# Allegro board SDHCalFEB.brd (continued)
## Routing (per net, layer and track width the routed paths; a pad name or vN(x,y) marks a point on that pad's centre or on a via; arc(x,y) is an arc through that point) (continued)
  TOP w0.305: C253.1 v2(137.45,315.98) ; C253.1 137.45,314.53 v2(137.45,314.53) U195.143 ; C253.1 v2(136.63,315.28) ; C776.1 298.77,120.3 v2(298.77,121.14) U585.60 v2(298.77,123.51) ; U455.76 v2(149.15,201.15) 149.15,200.6 C605.1 v2(148.18,200.3) ; U1081.4 v1(355.74,110.06) 356.4,109.39 C1480.1 ; U390.76 v2(229.16,201.15) 228.94,200.94 C518.1 v2(228.3,200.32) ; v2(149.15,283.82) U195.76 v2(149.15,281.16) 149.15,280.57 C257.1 v2(148.27,280.33) ; C343.1 v2(57.45,315.87) ; C343.1 v2(56.76,315.24) ; C343.1 57.44,315.22 v2(57.44,314.53) U260.143 ; U715.76 v2(149.15,121.14) ; U975.76 v2(149.15,41.13) ; C170.1 228.66,280.67 v2(229.16,281.16) U130.76 v2(229.16,283.97) ; C255.1 142.79,280.65 v2(143.3,281.16) U195.67 ; C255.1 C256.1 143.95,280.37 U195.68 v2(143.95,283.53) ; C255.1 v2(142.11,280.2) ; U780.67 v2(63.29,121.14) ; U390.67 v2(223.31,201.15) 223,200.84 C516.1 ; C777.1 C778.1 303.97,120.37 U585.68 v2(303.97,123.51) ; C777.1 302.93,120.75 v2(303.32,121.14) U585.67 ; C777.1 v2(302.23,120.32) ; U325.67 v2(303.32,201.15) 302.98,200.82 C431.1 ; v2(298.77,43.5) U845.60 v2(298.77,41.13) ; v2(138.75,41.13) U975.60 v2(138.75,43.5) ; v2(68.26,200.33) C692.1 68.89,200.91 v2(69.14,201.15) U520.76 ; U520.143 v2(57.44,234.52) 57.44,235.21 C689.1 ; U845.143 v2(297.47,74.5) ; C431.1 C430.1 303.97,200.18 U325.68 v2(303.97,203.52) ; C431.1 v2(302.29,200.18) ; v2(223.96,203.52) U390.68 223.96,200.33 C517.1 C516.1 ; C80.1 v2(296.77,315.35) ; C80.1 297.47,315.34 v2(297.47,314.53) U65.143 ; C80.1 v2(298.17,315.35) ; C1126.1 303.97,40.36 U845.68 v2(303.97,43.5) ; U65.67 303.32,280.55 C82.1 ; C516.1 v2(222.3,200.27) ; v2(218.76,43.5) U910.60 v2(218.76,41.13) ; v2(138.75,283.53) U195.60 v2(138.75,281.16) 138.75,281.16 C254.1 ; C865.1 223.96,120.3 U650.68 v2(223.96,123.51) ; C689.1 v2(56.59,235.21) ; C689.1 v2(57.43,235.92) ; v2(143.95,203.52) U455.68 143.95,200.41 C604.1 C603.1 ; C82.1 v2(302.41,280.34) ; C82.1 C83.1 303.97,280.43 U65.68 v2(303.97,283.53) ; C1387.1 63.94,40.3 U1040.68 v2(63.94,43.5) ; U650.67 v2(223.31,121.14) 222.97,120.8 C864.1 v2(222.28,120.29) ; U780.76 v2(69.14,121.14) ; U910.143 v2(217.46,74.5) ; U780.143 v2(57.44,154.51) ; v2(308.19,200.15) C428.1 308.82,200.81 v2(309.17,201.15) U325.76 ; U975.143 v2(137.45,74.5) ; C168.1 C169.1 223.96,280.32 U130.68 v2(223.96,283.53) ; C168.1 223.31,280.47 v2(223.31,281.16) U130.67 ; C168.1 v2(222.38,280.24) ; C427.1 298.77,200.37 v2(298.77,201.15) U325.60 v2(298.77,203.52) ; v2(58.74,41.13) U1040.60 v2(58.74,43.5) ; v2(218.76,121.14) U650.60 v2(218.76,123.51) ; v2(138.75,123.51) U715.60 v2(138.75,121.14) ; C341.1 v2(62.2,280.26) ; C341.1 62.92,280.79 v2(63.29,281.16) U260.67 ; C341.1 C342.1 63.94,280.29 U260.68 v2(63.94,283.53) ; U390.143 v2(217.46,234.52) C514.1 ; v2(68.2,280.25) C344.1 68.83,280.86 v2(69.14,281.16) U260.76 ; v2(229.16,41.13) U910.76 ; C602.1 138.75,200.33 v2(138.75,201.15) U455.60 v2(138.75,203.52) ; v2(63.94,123.51) U780.68 63.94,120.34 C1039.1 ; U65.76 309.17,281.35 v2(308.94,281.13) 308.71,280.89 C79.1 v2(308.07,280.34) ; U260.60 v2(58.74,281.16) 58.74,280.33 C340.1 ; U130.143 v2(217.46,314.53) 217.46,315.3 C166.1 ; U715.67 v2(143.3,121.14) ; v2(63.94,203.52) U520.68 63.94,200.98 64.09,200.83 C691.1 C690.1 ; C603.1 143.3,200.49 v2(143.3,201.15) U455.67 ; C603.1 v2(142.39,200.28) ; C601.1 v2(136.63,235.21) ; C601.1 137.45,235.21 v2(137.45,234.52) U455.143 ; C601.1 v2(137.44,235.89) ; v2(309.17,121.14) 308.95,120.92 C779.1 v2(308.31,120.32) ; U715.143 v2(137.45,154.51) ; C81.1 298.77,280.34 v2(298.77,281.16) U65.60 v2(298.77,283.53) ; C1213.1 223.96,40.34 U910.68 v2(223.96,43.5) ; U650.76 v2(229.16,121.14) 228.86,120.85 v2(228.86,120.22) ; v2(143.95,123.51) U715.68 143.95,121.34 143.77,121.17 C952.1 ; U1040.76 v2(69.14,41.13) ; C166.1 v2(217.45,316) ; C166.1 v2(216.61,315.3) ; C775.1 297.47,155.22 v2(297.47,154.51) U585.143 ; C775.1 296.62,155.23 v2(296.61,155.22) ; C775.1 v2(297.46,155.91) ; U650.143 v2(217.46,154.51) ; v2(218.76,203.52) U390.60 v2(218.76,201.15) C515.1 ; C690.1 v2(62.41,200.3) ; C690.1 63.1,200.97 v2(63.29,201.15) U520.67 ; U975.67 v2(143.3,41.13) ; C688.1 58.74,200.33 v2(58.74,201.15) U520.60 v2(58.74,203.52) ; U325.143 v2(297.47,234.52) 297.46,234.52 C429.1 ; C429.1 v2(297.46,235.97) ; C429.1 v2(296.65,235.26) ; U845.76 v2(309.17,41.13) ; v2(143.95,43.52) U975.68 143.95,40.34 C1300.1 ; U910.67 v2(223.31,41.13) ; U130.60 v2(218.76,281.16) 218.76,280.32 C167.1 ; C514.1 v2(216.64,235.17) ; C514.1 v2(217.46,235.86) ; v2(58.74,121.14) U780.60 v2(58.74,123.51) ; U845.67 v2(303.32,41.13) ; U1040.67 v2(63.29,41.13) ; U1040.143 v2(57.44,74.5)
  TOP w0.508: v2(69.14,121.14) 68.84,120.85 v2(68.84,120.29) ; v2(218.76,121.14) 218.76,120.31 C863.1 ; C1479.1 350,208.08 v1(350,209.04) ; C949.1 137.45,155.24 v2(137.45,154.51) ; C949.1 v2(136.74,155.25) ; C949.1 v2(137.44,155.89) ; v2(137.45,74.5) 137.45,75.21 C1297.1 ; v2(217.46,154.51) 217.46,155.19 C862.1 ; C1385.1 58.74,40.31 v2(58.74,41.13) ; C1211.1 218.76,40.31 v2(218.76,41.13) ; v2(149.15,41.13) 148.7,40.69 v2(148.7,40.31) ; C1038.1 62.9,120.75 v2(63.29,121.14) ; C1038.1 C1039.1 ; C1038.1 v2(62.26,120.29) ; v2(303.32,41.13) 303.03,40.84 C1125.1 ; v2(143.3,41.13) 142.99,40.82 C1299.1 ; v2(297.47,74.5) 297.47,75.18 C1123.1 ; v2(63.29,41.13) 62.97,40.81 C1386.1 ; C1123.1 v2(296.76,75.19) ; C1123.1 v2(297.46,75.83) ; v1(349.75,240.18) 349.75,240.18 C1478.1 ; v2(138.75,41.13) 138.75,40.31 C1298.1 ; C1299.1 v2(142.35,40.31) ; C1299.1 C1300.1 ; v1(213.76,359) C1401.1 213.75,358.17 U1046.5 v1(214.44,356.67) ; v1(271.53,345.52) C1398.1 271.53,346.63 271.28,346.88 v1(271.28,347.31) U1044.8 ; C1210.1 v2(217.45,75.85) ; C1210.1 217.46,75.21 v2(217.46,74.5) ; C1210.1 v2(216.75,75.22) ; C1125.1 v2(302.4,40.31) ; C1125.1 C1126.1 ; C1384.1 v2(56.73,75.19) ; C1384.1 v2(57.43,75.83) ; C1384.1 57.44,75.18 v2(57.44,74.5) ; v1(216.07,340.45) U1043.5 v1(216.75,341.37) 216.76,341.36 C1399.1 ; v2(229.16,41.13) 228.76,40.74 v2(228.76,40.28) ; R2597.1 v1(361.39,88.24) ; C1037.1 58.74,120.32 v2(58.74,121.14) ; C951.1 C952.1 ; C951.1 v2(142.15,120.27) ; C951.1 142.78,120.63 v2(143.3,121.14) ; v2(309.17,41.13) 308.87,40.84 v2(308.87,40.26) ; C1395.1 v1(267.17,342.66) ; v2(57.44,154.51) 57.44,155.22 C1036.1 ; C1124.1 298.76,41.13 v2(298.77,41.13) ; U1041.4 v1(265.47,344.82) ; U1042.2 v1(212.33,349.81) ; C862.1 v2(217.45,155.84) ; C862.1 v2(216.75,155.2) ; C1297.1 v2(136.74,75.22) ; C1297.1 v2(137.44,75.85) ; C1477.1 345.43,323.12 v1(345.43,324.08) ; v2(149.15,121.14) 148.78,120.77 v2(148.78,120.27) ; v2(138.75,121.14) 138.75,120.32 C950.1 ; v2(222.39,40.28) C1212.1 223.02,40.85 v2(223.31,41.13) ; C865.1 C864.1 ; v2(69.14,41.13) 68.68,40.68 v2(68.68,40.28) ; C1386.1 C1387.1 ; C1386.1 v2(62.33,40.28) ; C1399.1 v1(217.74,342.19) ; C1399.1 v1(217.74,340.54) ; U1047.2 v1(211.14,356.82) ; v1(193.85,351.56) C1402.1 194.8,352.39 v1(194.81,352.39) U1048.8 v1(195.39,351.4) ; C1036.1 v2(57.43,155.86) ; C1036.1 v2(56.73,155.23) ; v1(239.36,351.19) U1045.8 v1(238.7,352.56) 237.74,352.56 C1400.1 v1(237.74,353.39)
  TOP w0.61: U1041.3 v5(262.52,344.82) ; U1041.4 v5(266.39,343.88) C1395.1
  GND1 w0.305: v2(68.26,200.33) v3(68.26,199.59) ; v2(308.94,281.13) v3(308.94,281.86) ; v2(301.78,280.34) v3(301.04,280.34) ; v2(301.78,280.34) v3(301.78,279.6) ; v2(301.78,280.34) v2(302.41,280.34) v3(303.15,280.34) ; v2(136.63,235.21) v3(136.63,235.95) ; v2(297.47,314.53) v3(297.47,313.79) ; v2(308.19,200.15) v3(308.19,199.42) ; v2(63.29,201.15) v3(63.29,201.89) ; v2(229.16,281.16) v3(229.16,281.9) ; v2(303.32,201.15) v3(303.32,201.89) ; v2(137.45,315.98) v3(137.45,316.71) ; v2(58.74,201.15) v3(58.74,201.89) ; v2(298.17,315.35) v3(298.91,315.35) ; v2(223.96,283.53) v3(223.96,284.26) ; v2(69.14,281.16) v3(69.14,281.9) ; v2(223.31,201.15) v3(223.31,201.89) ; v2(298.77,203.52) v3(298.77,204.25) ; v2(62.41,200.3) v3(62.41,199.57) ; v2(222.3,200.27) v3(222.3,199.53) ; v2(217.46,234.52) v3(217.46,233.78) ; v2(142.39,200.28) v3(142.39,199.54) ; v2(303.97,283.53) v3(303.97,284.26) ; v2(142.11,280.2) v3(141.38,280.2) ; v2(229.16,201.15) v3(229.16,201.89) ; v2(137.44,235.89) v3(138.18,235.89) ; v2(298.77,281.16) v3(298.77,281.9) ; v2(223.31,281.16) v3(223.31,281.9) ; v2(218.76,203.52) v3(218.76,202.78) ; v2(296.77,315.35) v3(296.77,316.08) ; v2(229.16,283.97) v3(229.16,284.71) ; v2(56.59,235.21) v3(56.59,235.95) ; v2(216.64,235.17) v3(216.64,235.9) ; v2(228.3,200.32) v3(228.3,199.58) ; v2(57.44,314.53) v3(57.44,313.79) ; v2(57.44,234.52) v3(57.44,233.78) ; v2(309.17,121.14) v3(309.17,121.88) ; v2(297.46,235.97) v3(297.46,236.7) ; v2(302.29,200.18) v3(302.29,199.44) ; v2(297.47,234.52) v3(297.47,233.78) ; v2(308.07,280.34) v3(308.07,279.6) ; v2(62.2,280.26) v3(62.2,279.53) ; v2(58.74,281.16) v3(58.74,281.9) ; v2(303.97,203.52) v3(303.97,204.25) ; v2(149.15,201.15) v3(149.15,201.89) ; v2(63.94,203.52) v3(63.94,204.25) ; v2(63.94,283.53) v3(63.94,284.26) ; v2(56.76,315.24) v3(56.24,315.76) ; v2(148.27,280.33) v3(148.27,279.59) ; v2(309.17,201.15) v3(309.17,201.89) ; v2(297.47,154.51) v3(297.47,153.77) ; v2(69.14,201.15) v3(69.14,201.89) ; v2(137.45,234.52) v3(137.45,233.78) ; v2(143.3,201.15) v3(143.3,201.89) ; v2(68.2,280.25) v3(68.2,279.52) ; v2(303.97,123.51) v3(303.97,124.24) ; v2(143.95,203.52) v3(143.95,204.25) ; v2(308.31,120.32) v3(308.31,119.58) ; v2(298.77,283.53) v3(298.77,284.26) ; v2(149.15,283.82) v3(149.15,284.56) ; v2(149.15,281.16) v3(149.15,281.9) ; v2(136.63,315.28) v3(136.11,315.8) ; v2(143.95,283.53) v3(143.95,284.26) ; v2(58.74,203.52) v3(58.74,204.25) ; v2(137.45,314.53) v3(137.45,313.79) ; v2(222.38,280.24) v3(222.38,279.5) ; v2(298.77,121.14) v3(298.77,121.88) ; v2(138.75,283.53) v3(138.75,284.26) ; v2(216.61,315.3) v3(215.87,315.3) ; v2(296.61,155.22) v3(296.61,155.97) ; v2(302.23,120.32) v3(302.23,119.58) ; v2(143.3,281.16) v3(143.3,281.9) ; v2(296.65,235.26) v3(296.65,236) ; v2(218.76,201.15) v3(218.76,200.42) ; v2(57.43,235.92) v3(58.17,235.92) ; v2(138.75,201.15) v3(138.75,200.42) ; v2(297.46,155.91) v3(298.2,155.91) ; v2(298.77,123.51) v3(298.77,124.24) ; v2(303.32,121.14) v3(303.32,121.88) ; v2(63.29,281.16) v3(63.29,281.9) ; v2(217.45,316) v3(217.45,316.74) ; v2(148.18,200.3) v3(148.18,199.56) ; v2(217.46,235.86) v3(217.46,236.6) ; v2(223.96,203.52) v3(223.96,204.25) ; v2(217.46,154.51) v3(217.46,153.77) ; v2(217.46,314.53) v3(217.46,313.79) ; v2(138.75,203.52) v3(138.75,204.25) ; v2(57.45,315.87) v3(57.45,316.61) ; v2(138.75,281.16) v3(138.75,280.43)
  GND1 w0.508: v2(274.8,164.19) v3(275.54,164.19) ; v2(269.72,258.93) v3(270.46,258.93) ; v2(197.82,255.88) v3(197.82,255.14) ; v2(116.36,258.72) v3(116.36,259.46) ; v2(39.62,165.07) v3(39.62,165.81) ; v2(203.23,116.99) v3(203.96,116.99) ; v2(35.89,165.25) v3(35.89,165.99) ; v2(41.68,329.51) v3(42.42,329.51) ; v2(99.64,188.37) v3(100.38,188.37) ; v2(143.3,41.13) v3(143.3,41.87) ; v2(40.36,328.75) v3(39.62,328.75) ; v2(137.45,74.5) v3(137.45,73.76) ; v2(68.84,120.29) v3(68.84,119.56) ; v2(119.53,255.19) v3(120.27,255.19) ; v2(113.13,167.06) v3(113.87,167.06) ; v2(218.76,283.53) v3(218.76,284.26) ; v2(217.45,75.85) v3(217.45,76.59) ; v2(113.49,326.85) v3(114.22,326.85) ; v2(259.94,186.61) v3(260.68,186.61) ; v2(187.17,35.74) v3(187.17,36.47) ; v2(223.31,41.13) v3(223.31,41.87) ; v2(218.76,41.13) v3(218.76,40.4) ; v2(57.44,154.51) v3(57.44,153.77) ; v2(175.11,266.04) v3(174.37,266.04) ; v2(218.76,123.51) v3(218.76,124.24) ; v2(31.75,78.99) v3(31.75,78.26) ; v2(33.73,99.92) v3(33.73,100.66) ; v2(33.63,266.19) v3(33.63,265.46) ; v2(266.73,255.5) v3(267.46,255.5) ; v2(34.21,185.98) v3(34.21,186.72) ; v2(34.49,165.81) v3(33.76,165.81) ; v2(56.73,155.23) v3(56.21,155.75) ; v2(62.84,252.78) v3(62.84,253.52) ; v2(56.73,75.19) v3(56.21,75.71) ; v2(217.45,155.84) v3(217.45,156.57) ; v2(296.76,75.19) v3(296.24,75.71) ; v2(138.75,41.13) v3(138.75,40.4) ; v2(63.29,41.13) v3(63.29,41.87) ; v3(136.21,75.76) 136.74,75.22 v2(136.74,75.22) ; v2(32.97,79.02) v3(32.97,78.28) ; v2(179.71,188.42) v3(180.44,188.42) ; v2(41.66,331.09) v3(42.39,331.09) ; v2(62.89,255.57) v3(62.89,256.31) ; v2(111.56,166.88) v3(111.56,166.14) ; v2(106.02,35.05) v3(105.28,35.05) ; v2(34.77,270.38) v3(34.77,271.12) ; v2(35.03,163.02) v3(35.03,162.28) ; v2(114.78,165.33) v3(115.52,165.33) ; v2(99.64,187.17) v3(100.38,187.17) ; v3(298.75,201.89) 298.75,201.17 v2(298.77,201.15) ; v2(297.47,74.5) v3(297.47,73.76) ; v2(176.94,99.95) v3(176.94,100.69) ; v2(32.28,181.94) v3(32.28,181.2) ; v2(274.68,165.79) v3(275.41,165.79) ; v2(269.8,255.75) v3(270.54,255.75) ; v2(57.44,74.5) v3(57.44,73.52) ; v2(255.52,268.3) v3(254.79,268.3) ; v2(179.68,267.28) v3(180.42,267.28) ; v2(271.37,167.06) v3(271.37,167.79) ; v2(39.22,331.09) v3(39.95,331.09) ; v2(256.46,100.2) v3(256.46,100.94) ; v2(138.75,123.51) v3(138.75,124.24) ; v2(275.03,325.48) v3(275.77,325.48) ; v2(229.16,41.13) v3(229.16,41.87) ; v2(36.14,270.31) v3(36.14,271.04) ; v2(31.6,82.83) v3(31.6,83.57) ; v2(309.17,41.13) v3(309.17,41.87) ; v2(223.96,43.5) v3(223.96,44.23) ; v2(119.46,256.84) v3(120.19,256.84) ; v2(63.94,43.5) v3(63.94,44.23) ; v2(109.63,33.58) v3(110.36,33.58) ; v2(94.72,187.25) v3(93.98,187.25) ; v2(40.59,327.43) v3(40.59,326.69) ; v2(137.45,154.51) v3(137.45,153.77) ; v2(223.31,121.14) v3(223.31,121.88) ; v2(99.67,266.09) v3(100.41,266.09) ; v3(216.22,155.74) 216.75,155.21 v2(216.75,155.2) ; v2(228.86,120.22) v3(228.86,119.48) ; v2(255.04,188.52) v3(254.3,188.52) ; v2(99.67,268.45) v3(100.41,268.45) ; v2(272.21,323.67) v3(271.69,323.15) ; v2(120.86,116.27) v3(120.86,115.53) ; v2(34.11,41.88) v3(34.85,41.88) ; v2(217.46,74.5) v3(217.46,73.76) ; v2(37.21,162.66) v3(36.47,162.66) ; v2(94.92,268.35) v3(94.18,268.35) ; v2(63.29,121.14) v3(63.29,121.88) ; v2(274.93,323.65) v3(275.45,323.13) ; v2(122.12,118.11) v3(122.86,118.11) ; v2(35.61,184.35) v3(36.35,184.35) ; v2(119.15,97.33) v3(119.89,97.33) ; v2(136.74,155.25) v3(136.22,155.77) ; v2(32.33,185.98) v3(32.33,186.72) ; v2(259.66,265.61) v3(260.4,265.61) ; v2(37.54,327.28) v3(37.54,326.54) ; v2(95.02,188.32) v3(94.28,188.32) ; v2(266.12,34.8) v3(265.38,34.8) ; v2(193.24,167.03) v3(192.51,167.03) ; v2(34.39,181.84) v3(34.39,181.1) ; v2(259.66,98.22) v3(260.4,98.22) ; v2(199.69,259.92) v3(200.43,259.92) ; v2(255.09,186.33) v3(254.36,186.33) ; v2(222.28,120.29) v3(222.28,119.56) ; v2(114.76,163.86) v3(115.49,163.86) ; v2(34.19,44.65) v3(34.92,44.65) ; v3(34.26,78.23) v2(34.26,78.97) ; v2(176.96,188.7) v3(176.96,189.43) ; v2(175.69,188.7) v3(175.69,189.43) ; v2(34.7,164.52) v3(33.96,164.52) ; v2(280.85,116.23) v3(280.85,116.97) ; v2(32.18,99.97) v3(32.18,100.71) ; v2(179.53,99.77) v3(180.26,99.77) ; v2(39.34,162.99) v3(39.34,162.26) ; v2(269.27,34.77) v3(269.27,35.51) ; v2(191.39,163.83) v3(191.39,164.57) ; v2(143.95,123.51) v3(143.95,124.24) ; v2(116.79,95.22) v3(117.53,95.22) ; v2(194.64,165.61) v3(194.12,165.09) ; v2(57.43,75.83) v3(57.43,76.56) ; v2(35.53,266.22) v3(35.53,265.48) ; v2(142.15,120.27) v3(142.15,119.53) ; v2(119.15,98.81) v3(119.89,98.81) ; v2(143.3,121.14) v3(143.3,120.41) ; v2(195.33,325.04) v3(196.06,325.04) ; v2(99.62,185.83) v3(100.36,185.83) ; v2(229.16,121.14) v3(229.16,121.88) ; v2(273.25,163.7) v3(273.25,164.44) ; v2(95.05,266.22) v3(94.31,266.22) ; v2(36.25,267.36) v3(36.98,267.36) ; v2(178.44,188.65) v3(178.44,189.38) ; v2(199.77,256.39) v3(200.51,256.39) ; v2(94.82,185.93) v3(94.08,185.93) ; v2(34.77,81.53) v3(35.51,81.53) ; v2(195.17,163.86) v3(195.17,163.12) ; v2(149.15,41.13) v3(149.15,41.87) ; v2(66.88,255.57) v3(67.61,255.57) ; v2(267.44,34.77) v3(267.44,35.51) ; v2(41.71,327.94) v3(42.44,327.94) ; v2(58.74,123.51) v3(58.74,124.24) ; v2(32.49,95.99) v3(32.49,95.25) ; v2(138.75,121.14) v3(138.75,120.41) ; v2(34.62,82.78) v3(34.62,83.52) ; v2(99.67,267.23) v3(100.41,267.23) ; v2(298.77,43.5) v3(298.77,44.23) ; v2(259.74,266.8) v3(260.48,266.8) ; v2(35.33,99.85) v3(35.33,100.58) ; v2(218.76,43.5) v3(218.76,44.23) ; v2(35.33,98.45) v3(36.07,98.45) ; v2(116.23,255.3) v3(116.23,254.56) ; v2(195.45,323.72) v3(195.97,323.2) ; v2(137.44,155.89) v3(137.44,156.63) ; v2(272.54,327.1) v3(271.81,327.1) ; v2(174.57,186.97) v3(173.84,186.97) ; v2(174.6,188.21) v3(173.86,188.21) ; v2(138.75,43.5) v3(138.75,44.23) ; v2(269.85,257.18) v3(270.59,257.18) ; v2(64.77,252.58) v3(65.51,252.58) ; v2(199.82,258.52) v3(200.56,258.52) ; v2(63.94,123.51) v3(63.94,124.24) ; v2(259.87,188.39) v3(259.87,189.13) ; v2(179.55,187.22) v3(180.29,187.22) ; v2(108.71,35) v3(108.71,35.74) ; v2(119.35,258.6) v3(120.09,258.6) ; v2(216.75,75.22) v3(216.23,75.74) ; v2(278.87,117.14) v3(278.13,117.14) ; v2(199.67,118.21) v3(198.93,118.21) ; v2(69.14,121.14) v3(69.14,121.88) ; v2(115.29,325.07) v3(115.81,325.59) ; v2(177.24,96.32) v3(177.24,95.58) ; v2(257.2,188.57) v3(257.2,189.31) ; v2(279.88,118.06) v3(279.88,118.8) ; v2(66.98,253.26) v3(67.72,253.26) ; v2(179.58,185.9) v3(180.31,185.9) ; v2(115.09,323.65) v3(115.61,323.13) ; v2(119.13,95.66) v3(119.86,95.66) ; v2(62.26,120.29) v3(62.26,119.56) ; v2(148.7,40.31) v3(148.7,39.57) ; v2(57.43,155.86) v3(57.43,156.6) ; v2(68.68,40.28) v3(68.68,39.54) ; v2(58.74,43.5) v3(58.74,44.23) ; v2(137.44,75.85) v3(137.44,76.59) ; v2(298.77,41.13) v3(298.77,40.4) ; v2(308.87,40.26) v3(308.87,39.52) ; v2(58.74,121.14) v3(58.74,120.41) ; v2(185.7,35.66) v3(184.96,35.66) ; v2(179.65,268.48) v3(180.39,268.48) ; v2(222.39,40.28) v3(222.39,39.55) ; v2(112.59,325.04) v3(112.59,325.78) ; v2(34.42,95.96) v3(34.42,95.22) ; v2(34.82,80.09) v3(35.56,80.09) ; v2(193.5,326.95) v3(193.5,327.69) ; v2(148.78,120.27) v3(148.78,119.53) ; v2(62.33,40.28) v3(61.59,40.28) ; v2(223.96,123.51) v3(223.96,124.24) ; v2(255.37,265.73) v3(254.63,265.73) ; v2(302.4,40.31) v3(302.4,39.57) ; v2(142.35,40.31) v3(142.35,39.57) ; v2(228.76,40.28) v3(228.76,39.55) ; v2(123.22,117.25) v3(123.95,117.25) ; v2(303.32,41.13) v3(303.32,41.87) ; v2(32.99,82.8) v3(32.99,83.54) ; v2(266.5,258.85) v3(266.5,259.59) ; v2(35.33,97.08) v3(36.07,97.08) ; v2(297.46,75.83) v3(297.46,76.56) ; v2(197.49,259.74) v3(198.22,259.74) ; v2(37.16,331.01) v3(36.42,331.01) ; v2(259.69,99.8) v3(260.43,99.8) ; v2(143.95,43.52) v3(143.95,44.25) ; v2(149.15,121.14) v3(149.15,121.88) ; v2(282.91,117.32) v3(283.64,117.32) ; v2(257.15,96.14) v3(257.15,95.4) ; v2(198.45,117.17) v3(197.71,117.17) ; v2(33.32,270.38) v3(33.32,271.12) ; v2(179.53,96.57) v3(180.26,96.57) ; v2(32.87,44.68) v3(32.87,45.42) ; v2(188.87,35.64) v3(188.87,36.37) ; v2(111.48,163.75) v3(112.22,163.75) ; v2(202.11,118.16) v3(202.84,118.16) ; v2(116.59,99.01) v3(116.59,99.75) ; v2(259.64,268.25) v3(260.38,268.25) ; v2(36.27,268.78) v3(37.01,268.78) ; v2(174.88,268.43) v3(174.14,268.43) ; v2(191.85,323.7) v3(191.33,323.18) ; v2(189.53,34.49) v3(190.27,34.49) ; v2(271.37,163.73) v3(271.37,164.47) ; v2(179.53,98.17) v3(180.26,98.17) ; v2(218.76,121.14) v3(218.76,120.41) ; v2(269.93,32.92) v3(270.66,32.92) ; v2(58.74,41.13) v3(58.74,40.4) ; v2(218.76,281.16) v3(218.76,280.43) ; v2(281.91,118.24) v3(282.65,118.24) ; v2(118.54,117.25) v3(117.81,117.25) ; v2(119.76,118.11) v3(119.76,118.85) ; v2(273.96,327.13) v3(273.96,327.86) ; v2(174.6,185.85) v3(173.86,185.85) ; v2(179.68,265.99) v3(180.42,265.99) ; v2(200.61,116.39) v3(200.61,117.13) ; v2(35.61,185.8) v3(36.35,185.8) ; v2(303.97,43.5) v3(303.97,44.23) ; v2(259.64,96.65) v3(260.38,96.65) ; v2(107.31,35) v3(107.31,35.74) ; v2(35.43,182.83) v3(36.17,182.83) ; v2(69.14,41.13) v3(69.14,41.87) ; v2(34.14,43.31) v3(34.87,43.31) ; v2(191.85,326.87) v3(191.33,327.39)
  vias: v1(274.99,349.25) v1(276.12,350.49)
